# Allegro board SDHCalFEB20180110.brd (continued)
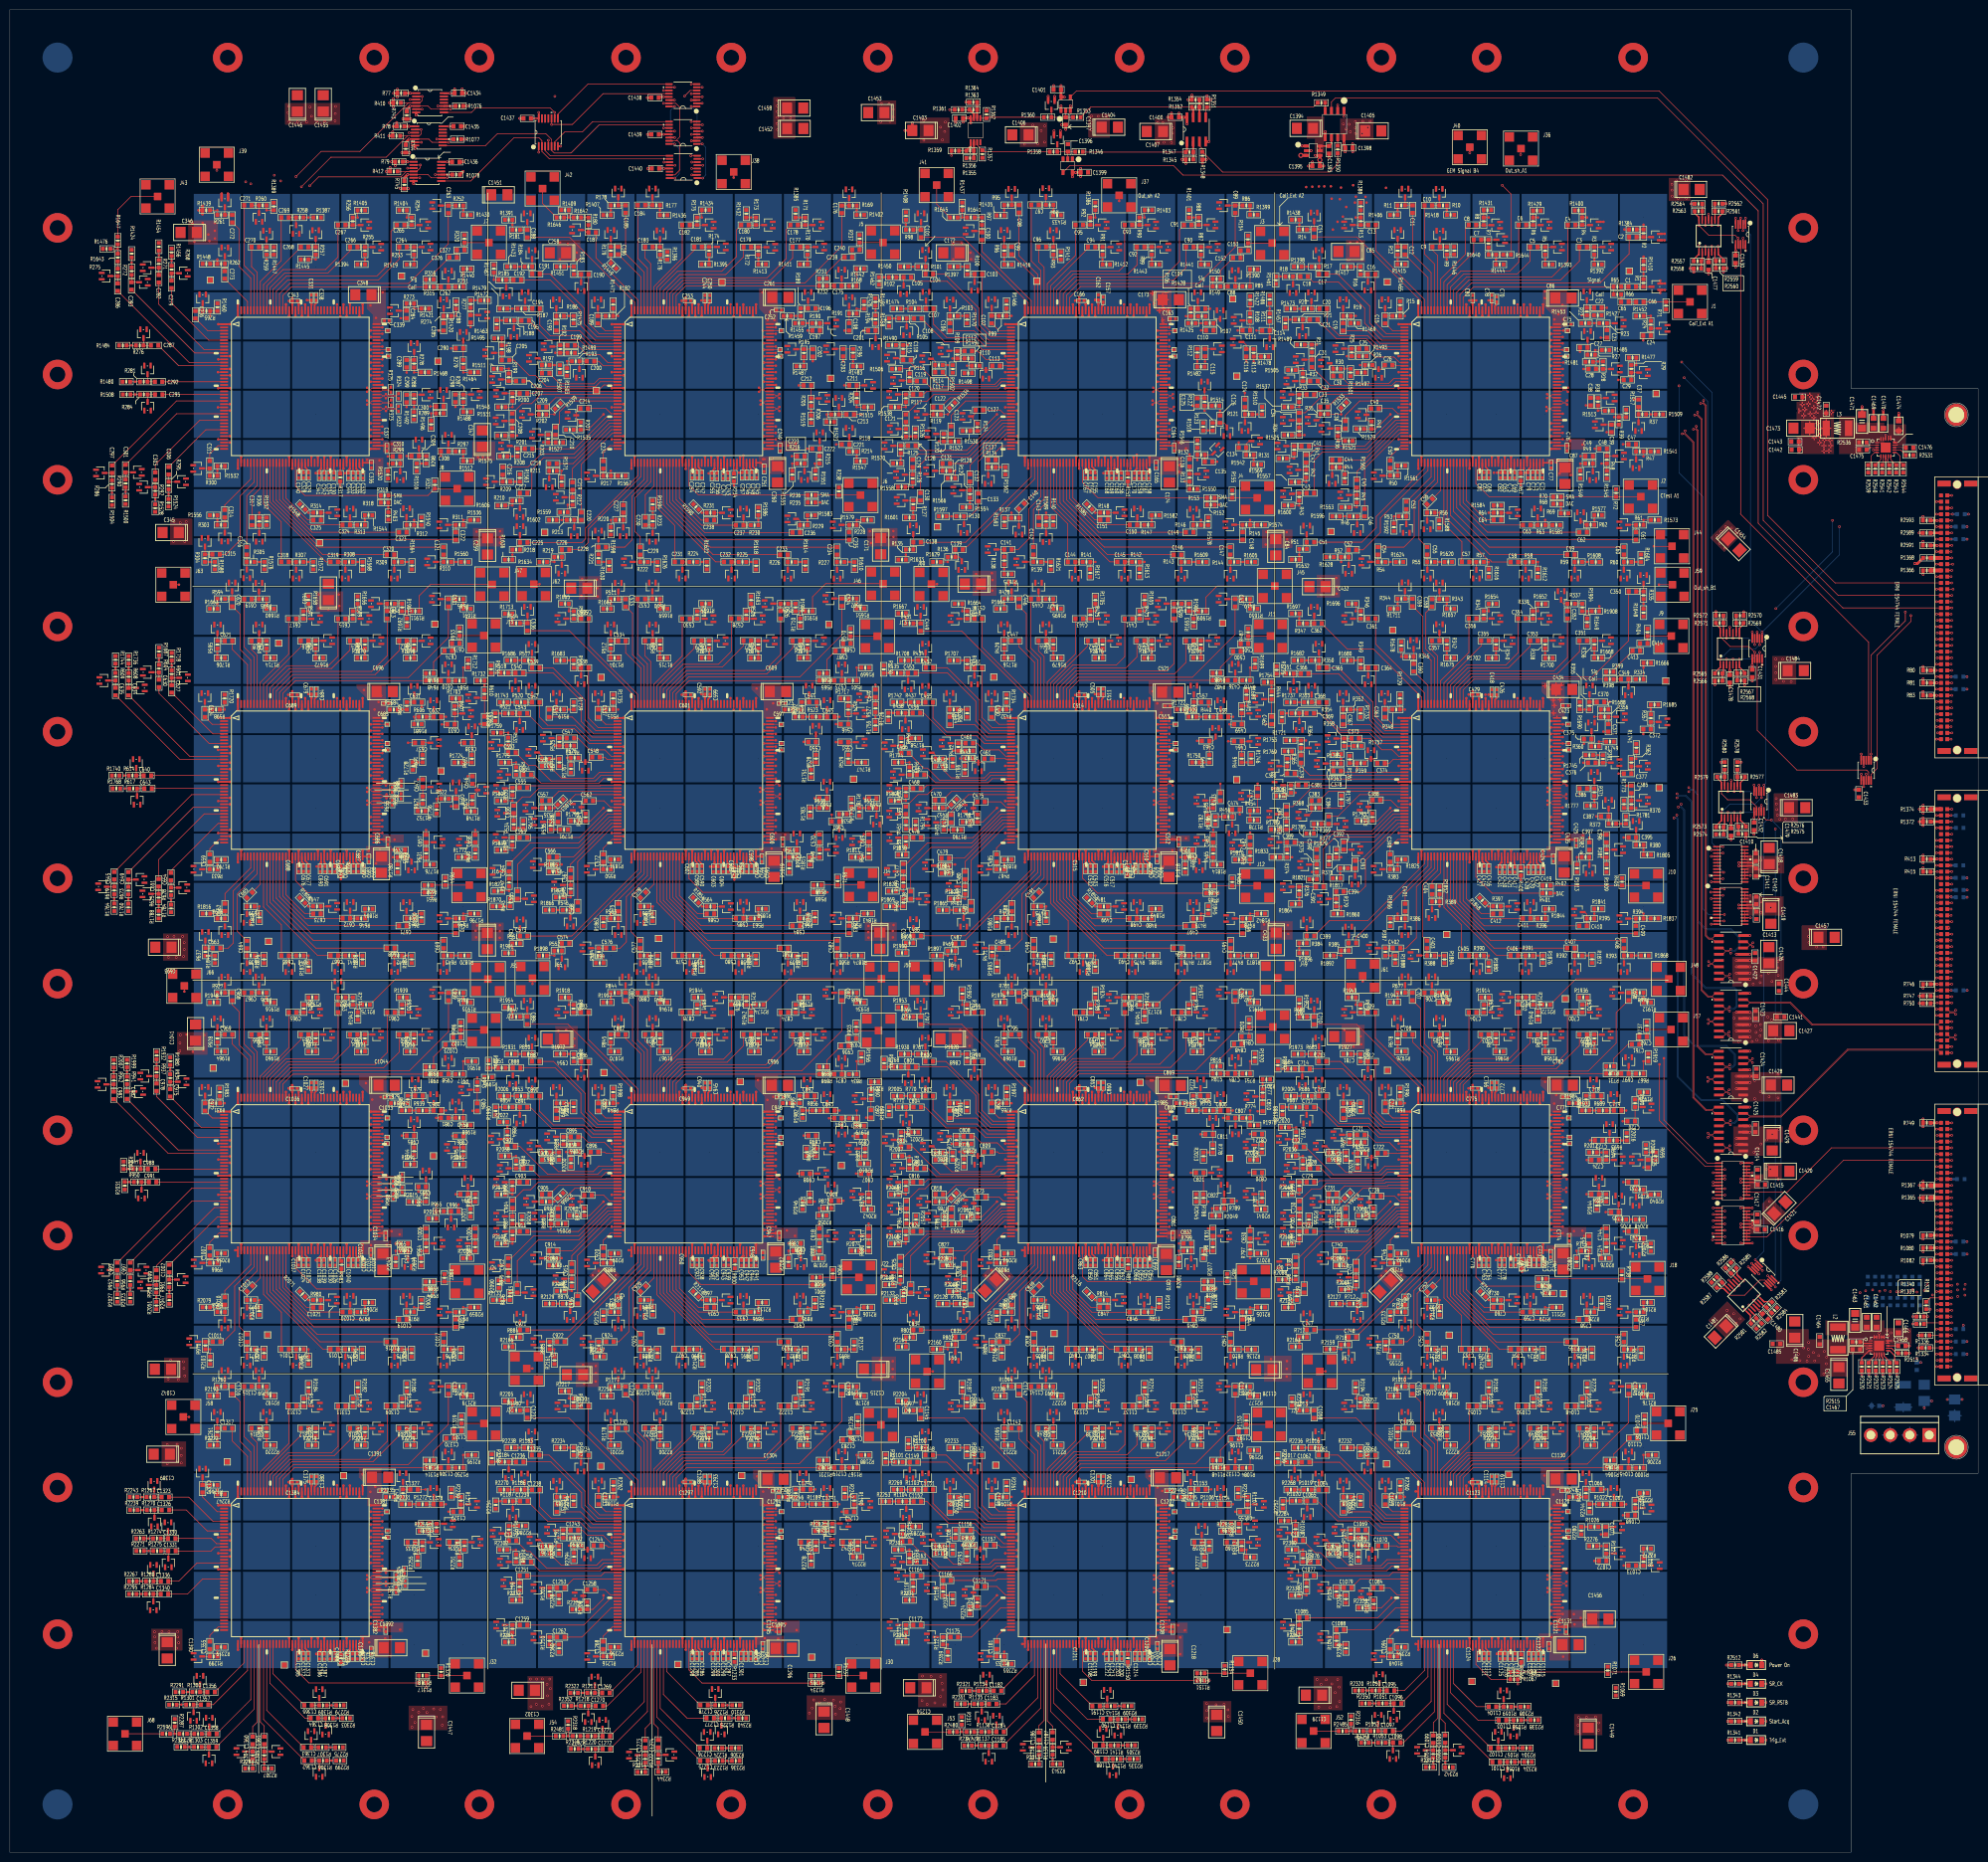
[diagram p0: board, top side]
## Placement (name value [footprint] x y rotation side) (continued)
C386  10nF  [SC0603]  319.96 216.16 180 top
C387  10nF  [SC0603]  324.33 210.49 180 top
C388  10nF  [SC0603]  277.88 213.81 0 top
C389  10nF  [SC0603]  260.48 205.23 0 top
C390  10nF  [SC0603]  265.74 202.97 90 top
C391  10nF  [SC0603]  266.37 196.19 0 top
C392  10nF  [SC0603]  271.25 204.5 90 top
C393  10nF  [SC0603]  273.56 200.71 90 top
C394  10nF  [SC0603]  270.48 195.22 0 top
C395  10nF  [SC0603]  329.92 206.2 180 top
C396  10nF  [SC0603]  324.67 205.99 90 top
C397  10nF  [SC0603]  321.19 204.47 90 top
C398  10nF  [SC0603]  280.67 202.01 90 top
C399  10nF  [SC0603]  264.49 186.2 0 top
C400  10nF  [SC0603]  273 184.76 0 top
C401  10nF  [SC0603]  283.72 191.97 90 top
C402  10nF  [SC0603]  281.99 183.71 0 top
C403  10nF  [SC0603]  288.17 184.48 90 top
C404  10nF  [SC0603]  289.21 195.45 90 top
C405  10nF  [SC0603]  295.96 182.22 180 top
C406  10nF  [SC0603]  305.94 182.22 180 top
C407  10nF  [SC0603]  317.45 183.72 180 top
C408  10nF  [SC0603]  328.22 184.48 90 top
C409  10nF  [SC0603]  330.65 187.48 270 top
C410  10nF  [SC0603]  319.91 188.24 180 top
C411  10nF  [SC0603]  308.43 189.74 180 top
C412  10nF  [SC0603]  302.39 190.71 180 top
C413  10pF 1%  [SC0603]  330.73 244.15 180 top
C414  10pF 1%  [SC0603]  332.25 245.65 180 top
C415  0.1uF  [SC0402]  299.79 199.82 90 top
C416  0.1uF  [SC0402]  300.78 199.82 90 top
C417  0.1uF  [SC0402]  306.04 199.67 90 top
C418  0.1uF  [SC0402]  302.37 235.74 270 top
C419  0.1uF  [SC0402]  311.78 199.64 90 top
C420  0.1uF  [SC0402]  309.8 199.64 90 top
C421  0.1uF  [SC0402]  305.05 199.67 90 top
C422  0.1uF  [SC0402]  310.79 199.64 90 top
C423  0.1uF  [SC0402]  316.38 232.99 0 top
C424  0.1uF  [SC0402]  313.85 201.88 270 top
C425  0.1uF  [SC0402]  318.52 205.08 270 top
C426  0.1uF  [SC0402]  301.36 235.74 90 top
C427  0.1uF  [SC0402]  298.8 199.83 270 top
C428  0.1uF  [SC0402]  308.82 199.64 270 top
C429  0.1uF  [SC0402]  297.97 235.26 0 top
C430  0.1uF  [SC0402]  303.97 199.67 270 top
C431  0.1uF  [SC0402]  302.98 199.67 270 top
C432  10uF  [STC3528]  265.9 257.18 180 top
C433  10uF  [STC3528]  257.51 185.23 270 top
C434  10uF  [STC3528]  316.06 236.3 0 top
C435  10uF  [STC3528]  316.07 200.73 270 top
C436  10nF  [SC0603]  248.41 238.15 180 top
C437  10nF  [SC0603]  249.14 253.9 270 top
C438  10nF  [SC0603]  239.93 246.18 180 top
C439  10nF  [SC0603]  236.75 251.46 270 top
C440  10nF  [SC0603]  229.95 246.21 180 top
C441  10nF  [SC0603]  227.48 250.65 180 top
C442  10nF  [SC0603]  219.94 246.18 180 top
C443  10nF  [SC0603]  217.45 250.65 180 top
C444  10nF  [SC0603]  209.93 246.21 180 top
C445  10nF  [SC0603]  208.41 254.66 180 top
C446  10nF  [SC0603]  205.2 253.92 270 top
C447  10nF  [SC0603]  204.47 246.2 0 top
C448  10nF  [SC0603]  196.93 250.67 0 top
C449  10nF  [SC0603]  185.21 248.95 270 top
C450  10nF  [SC0603]  199.64 231.44 270 top
C451  10nF  [SC0603]  196.93 240.66 0 top
C452  10nF  [SC0603]  186.99 240.71 0 top
C453  10nF  [SC0603]  183.41 239.62 0 top
C454  10nF  [SC0603]  191.16 229.95 270 top
C455  10nF  [SC0603]  186.94 233.68 0 top
C456  10nF  [SC0603]  184.35 231.52 0 top
C457  10nF  [SC0603]  243.03 233.73 0 top
C458  10nF  [SC0603]  246.99 230.73 0 top
C459  10nF  [SC0603]  249.73 229.21 180 top
C460  10nF  [SC0603]  195.1 225.37 0 top
C461  10nF  [SC0603]  198.96 222.22 0 top
C462  10nF  [SC0603]  256.59 230 270 top
C463  10nF  [SC0603]  243.15 225.84 180 top
C464  10nF  [SC0603]  249.73 225.76 180 top
C465  10nF  [SC0603]  188.98 220.7 0 top
C466  10nF  [SC0603]  182.04 223.34 0 top
C467  10nF  [SC0603]  185.19 218.94 0 top
C468  10nF  [SC0603]  184.45 216.18 0 top
C469  10nF  [SC0603]  182.2 211.73 90 top
C470  10nF  [SC0603]  188.93 213.79 0 top
C471  10nF  [SC0603]  191.42 210.03 90 top
C472  10nF  [SC0603]  253.72 215.39 90 top
C473  10nF  [SC0603]  246.16 214.48 90 top
C474  10nF  [SC0603]  249.33 211.91 0 top
C475  10nF  [SC0603]  197.49 213.46 0 top
C476  10nF  [SC0603]  184.48 206.17 0 top
C477  10nF  [SC0603]  181.69 200.08 90 top
C478  10nF  [SC0603]  183.19 194.49 90 top
C479  10nF  [SC0603]  190.22 202 0 top
C480  10nF  [SC0603]  194.24 198.5 90 top
C481  10nF  [SC0603]  195.46 192.23 90 top
C482  10nF  [SC0603]  252.2 205.49 90 top
C483  10nF  [SC0603]  244.71 205.97 90 top
C484  10nF  [SC0603]  239.75 203.69 180 top
C485  10nF  [SC0603]  200.64 202.01 90 top
C486  10nF  [SC0603]  184.48 186.23 0 top
C487  10nF  [SC0603]  193.01 184.65 0 top
C488  10nF  [SC0603]  203.74 191.97 90 top
C489  10nF  [SC0603]  202.01 183.71 0 top
C490  10nF  [SC0603]  208.21 184.48 90 top
C491  10nF  [SC0603]  208.73 194.52 45 top
C492  10nF  [SC0603]  215.98 182.22 180 top
C493  10nF  [SC0603]  225.96 182.22 180 top
C494  10nF  [SC0603]  237.46 183.72 180 top
C495  10nF  [SC0603]  248.24 184.48 90 top
C496  10nF  [SC0603]  250.67 187.48 270 top
C497  10nF  [SC0603]  239.9 188.24 180 top
C498  10nF  [SC0603]  228.42 189.74 180 top
C499  10nF  [SC0603]  222.48 190.68 180 top
C500  10pF 1%  [SC0603]  249.53 244.05 180 top
C501  10pF 1%  [SC0603]  251.05 245.57 180 top
C502  0.1uF  [SC0402]  219.77 199.81 90 top
C503  0.1uF  [SC0402]  220.76 199.81 90 top
C504  0.1uF  [SC0402]  226.1 199.75 90 top
C505  0.1uF  [SC0402]  222.34 235.86 270 top
C506  0.1uF  [SC0402]  231.91 199.81 90 top
C507  0.1uF  [SC0402]  229.93 199.81 90 top
C508  0.1uF  [SC0402]  225.08 199.75 90 top
C509  0.1uF  [SC0402]  230.92 199.81 90 top
C510  0.1uF  [SC0402]  233.29 201.9 270 top
C511  0.1uF  [SC0402]  221.35 235.85 90 top
C512  0.1uF  [SC0402]  237.68 205.3 270 top
C513  0.1uF  [SC0402]  235.44 232.96 0 top
C514  0.1uF  [SC0402]  217.97 235.17 0 top
C515  0.1uF  [SC0402]  218.76 199.81 270 top
C516  0.1uF  [SC0402]  223 199.76 270 top
C517  0.1uF  [SC0402]  224.02 199.76 270 top
C518  0.1uF  [SC0402]  228.94 199.81 270 top
C519  10uF  [STC3528]  195.85 257.71 180 top
C520  10uF  [STC3528]  176.91 185.24 270 top
C521  10uF  [STC3528]  235.95 235.74 0 top
C522  10uF  [STC3528]  235.69 199.84 270 top
C523  10nF  [SC0603]  168.43 238.1 180 top
C524  10nF  [SC0603]  169.19 254 270 top
C525  10nF  [SC0603]  159.94 246.18 180 top
C526  10nF  [SC0603]  156.74 251.46 270 top
C527  10nF  [SC0603]  149.94 246.21 180 top
C528  10nF  [SC0603]  147.47 250.68 180 top
C529  10nF  [SC0603]  139.9 246.18 180 top
C530  10nF  [SC0603]  137.49 250.65 180 top
C531  10nF  [SC0603]  129.95 246.18 180 top
C532  10nF  [SC0603]  128.42 254.66 180 top
C533  10nF  [SC0603]  125.22 253.87 270 top
C534  10nF  [SC0603]  124.46 246.15 0 top
C535  10nF  [SC0603]  116.94 250.67 0 top
C536  10nF  [SC0603]  105.25 249 270 top
C537  10nF  [SC0603]  119.68 231.44 270 top
C538  10nF  [SC0603]  116.92 240.69 0 top
C539  10nF  [SC0603]  106.96 240.69 0 top
C540  10nF  [SC0603]  103.58 239.64 0 top
C541  10nF  [SC0603]  109.67 231.44 270 top
C542  10nF  [SC0603]  106.96 233.68 0 top
C543  10nF  [SC0603]  104.44 231.42 0 top
C544  10nF  [SC0603]  163.3 233.73 0 top
C545  10nF  [SC0603]  166.95 230.73 0 top
C546  10nF  [SC0603]  169.72 229.24 180 top
C547  10nF  [SC0603]  114 226.41 0 top
C548  10nF  [SC0603]  119.18 222.53 0 top
C549  10nF  [SC0603]  176.03 235.51 90 top
C550  10nF  [SC0603]  163.14 225.63 180 top
C551  10nF  [SC0603]  169.72 225.58 180 top
C552  10nF  [SC0603]  108.99 220.7 0 top
C553  10nF  [SC0603]  102.11 223.47 0 top
C554  10nF  [SC0603]  105.21 218.97 0 top
C555  10nF  [SC0603]  104.44 216.35 0 top
C556  10nF  [SC0603]  102.47 211.91 90 top
C557  10nF  [SC0603]  108.97 213.69 0 top
C558  10nF  [SC0603]  111.48 210.13 90 top
C559  10nF  [SC0603]  175.46 214.15 180 top
C560  10nF  [SC0603]  165.38 214.15 180 top
C561  10nF  [SC0603]  167.89 209.45 180 top
C562  10nF  [SC0603]  117.83 213.66 0 top
C563  10nF  [SC0603]  104.44 206.19 0 top
C564  10nF  [SC0603]  101.53 200.08 90 top
C565  10nF  [SC0603]  103.23 194.51 90 top
C566  10nF  [SC0603]  110.46 202.23 0 top
C567  10nF  [SC0603]  114.02 198.81 90 top
C568  10nF  [SC0603]  115.47 192.23 90 top
C569  10nF  [SC0603]  174.65 206.1 90 top
C570  10nF  [SC0603]  164.65 206.04 90 top
C571  10nF  [SC0603]  159.26 203.69 180 top
C572  10nF  [SC0603]  120.68 202.01 90 top
C573  10nF  [SC0603]  104.5 186.18 0 top
C574  10nF  [SC0603]  113 184.68 0 top
C575  10nF  [SC0603]  123.7 191.97 90 top
C576  10nF  [SC0603]  122.02 183.71 0 top
C577  10nF  [SC0603]  128.17 184.48 90 top
C578  10nF  [SC0603]  128.78 194.52 45 top
C579  10nF  [SC0603]  135.97 182.22 180 top
C580  10nF  [SC0603]  145.97 182.22 180 top
C581  10nF  [SC0603]  157.45 183.7 180 top
C582  10nF  [SC0603]  168.23 184.48 90 top
C583  10nF  [SC0603]  170.66 187.5 270 top
C584  10nF  [SC0603]  159.92 188.27 180 top
C585  10nF  [SC0603]  148.41 189.77 180 top
C586  10nF  [SC0603]  142.47 190.71 180 top
C587  10pF 1%  [SC0603]  168.68 244.12 180 top
C588  10pF 1%  [SC0603]  170.21 245.62 180 top
C589  0.1uF  [SC0402]  139.74 199.82 90 top
C590  0.1uF  [SC0402]  140.73 199.82 90 top
C591  0.1uF  [SC0402]  146.09 199.77 90 top
C592  0.1uF  [SC0402]  142.35 235.84 270 top
C593  0.1uF  [SC0402]  151.81 199.8 90 top
C594  0.1uF  [SC0402]  149.83 199.8 90 top
C595  0.1uF  [SC0402]  145.1 199.77 90 top
C596  0.1uF  [SC0402]  150.82 199.8 90 top
C597  0.1uF  [SC0402]  157.07 233.46 0 top
C598  0.1uF  [SC0402]  152.92 201.83 270 top
C599  0.1uF  [SC0402]  141.34 235.84 90 top
C600  0.1uF  [SC0402]  157.16 205.31 270 top
C601  0.1uF  [SC0402]  137.95 235.21 0 top
C602  0.1uF  [SC0402]  138.74 199.82 270 top
C603  0.1uF  [SC0402]  143.09 199.77 270 top
C604  0.1uF  [SC0402]  144.08 199.77 270 top
C605  0.1uF  [SC0402]  148.84 199.79 270 top
C606  10uF  [STC3528]  115.79 256.87 180 top
C607  10uF  [STC3528]  97.1 185.15 270 top
C608  10uF  [STC3528]  155.4 199.84 270 top
C609  10uF  [STC3528]  156.19 235.86 0 top
C610  10nF  [SC0603]  88.42 238.08 180 top
C611  10nF  [SC0603]  89.18 253.9 270 top
C612  10nF  [SC0603]  79.93 246.16 180 top
C613  10nF  [SC0603]  76.73 251.46 270 top
C614  10nF  [SC0603]  69.93 246.18 180 top
C615  10nF  [SC0603]  67.49 250.65 180 top
C616  10nF  [SC0603]  59.92 246.18 180 top
C617  10nF  [SC0603]  57.45 250.65 180 top
C618  10nF  [SC0603]  49.94 246.16 180 top
C619  10nF  [SC0603]  48.41 254.64 180 top
C620  10nF  [SC0603]  45.21 253.92 270 top
C621  10nF  [SC0603]  44.48 246.15 0 top
C624  10nF  [SC0603]  39.67 231.44 270 top
C627  10nF  [SC0603]  32.91 236.4 270 top
C630  10nF  [SC0603]  30.32 237.52 270 top
C631  10nF  [SC0603]  82.98 233.7 0 top
C632  10nF  [SC0603]  86.94 230.73 0 top
C633  10nF  [SC0603]  89.69 229.19 180 top
C634  10nF  [SC0603]  24.15 235.84 270 top
C635  10nF  [SC0603]  21.48 235.86 270 top
C636  10nF  [SC0603]  96.52 230.02 270 top
C637  10nF  [SC0603]  83.16 225.45 180 top
C638  10nF  [SC0603]  93.17 225.45 180 top
C640  10nF  [SC0603]  27.97 218.79 0 top
C643  10nF  [SC0603]  28.12 216.15 0 top
C645  10nF  [SC0603]  21.24 198.45 90 top
C646  10nF  [SC0603]  94.09 217.88 90 top
C647  10nF  [SC0603]  83.98 217.25 90 top
C648  10nF  [SC0603]  90.72 213.31 270 top
C649  10nF  [SC0603]  24.11 198.42 90 top
C651  10nF  [SC0603]  30.26 197 90 top
C654  10nF  [SC0603]  32.77 198.27 90 top
C656  10nF  [SC0603]  94.64 205.99 90 top
C657  10nF  [SC0603]  84.64 205.99 90 top
C658  10nF  [SC0603]  79.6 203.71 180 top
C659  10nF  [SC0603]  40.67 202.01 90 top
C662  10nF  [SC0603]  43.74 192 90 top
C663  10nF  [SC0603]  42.04 183.71 0 top
C664  10nF  [SC0603]  48.21 184.45 90 top
C665  10nF  [SC0603]  48.74 194.51 45 top
C666  10nF  [SC0603]  55.98 182.2 180 top
C667  10nF  [SC0603]  65.99 182.22 180 top
C668  10nF  [SC0603]  77.47 183.72 180 top
C669  10nF  [SC0603]  88.22 184.48 90 top
C670  10nF  [SC0603]  90.67 187.5 270 top
C671  10nF  [SC0603]  79.91 188.27 180 top
C672  10nF  [SC0603]  68.43 189.77 180 top
C673  10nF  [SC0603]  62.46 190.71 180 top
C674  10pF 1%  [SC0603]  89.15 244.15 180 top
C675  10pF 1%  [SC0603]  90.68 245.65 180 top
C676  0.1uF  [SC0402]  59.73 199.82 90 top
C677  0.1uF  [SC0402]  60.75 199.82 90 top
C678  0.1uF  [SC0402]  66.08 199.8 90 top
C679  0.1uF  [SC0402]  62.34 235.86 270 top
C680  0.1uF  [SC0402]  71.87 199.82 90 top
C681  0.1uF  [SC0402]  69.89 199.82 90 top
C682  0.1uF  [SC0402]  65.09 199.8 90 top
C683  0.1uF  [SC0402]  70.88 199.82 90 top
C684  0.1uF  [SC0402]  61.33 235.86 90 top
C685  0.1uF  [SC0402]  76.58 233.46 0 top
C686  0.1uF  [SC0402]  76.88 205.31 270 top
C687  0.1uF  [SC0402]  73.01 201.83 270 top
C688  0.1uF  [SC0402]  58.73 199.82 270 top
C689  0.1uF  [SC0402]  57.94 235.21 0 top
C690  0.1uF  [SC0402]  63.1 199.8 270 top
C691  0.1uF  [SC0402]  64.09 199.8 270 top
C692  0.1uF  [SC0402]  68.89 199.82 270 top
C693  10uF  [STC3528]  31.23 183.9 180 top
C694  10uF  [STC3528]  64.78 256.11 90 top
C695  10uF  [STC3528]  75.56 200.68 270 top
C696  10uF  [STC3528]  76.23 235.86 0 top
C697  10nF  [SC0603]  328.42 158.22 180 top
C698  10nF  [SC0603]  329.18 173.89 270 top
C699  10nF  [SC0603]  319.94 166.15 180 top
C700  10nF  [SC0603]  317.5 170.67 180 top
C701  10nF  [SC0603]  309.93 166.15 180 top
C702  10nF  [SC0603]  306.75 171.48 270 top
C703  10nF  [SC0603]  299.92 166.17 180 top
C704  10nF  [SC0603]  297.46 170.67 180 top
C705  10nF  [SC0603]  289.94 166.17 180 top
C706  10nF  [SC0603]  288.42 174.65 180 top
C707  10nF  [SC0603]  285.21 173.89 270 top
C708  10nF  [SC0603]  284.48 166.16 0 top
C709  10nF  [SC0603]  276.91 170.66 0 top
C710  10nF  [SC0603]  265.22 168.99 270 top
C711  10nF  [SC0603]  279.7 151.43 270 top
C712  10nF  [SC0603]  276.91 160.68 0 top
C713  10nF  [SC0603]  266.93 160.7 0 top
C714  10nF  [SC0603]  263.58 159.18 0 top
C715  10nF  [SC0603]  271.19 149.94 270 top
C716  10nF  [SC0603]  266.95 153.67 0 top
C717  10nF  [SC0603]  264.46 151.41 0 top
C718  10nF  [SC0603]  322.78 153.72 0 top
C719  10nF  [SC0603]  326.95 150.72 0 top
C720  10nF  [SC0603]  329.69 148.54 180 top
C721  10nF  [SC0603]  274.73 145.77 0 top
C722  10nF  [SC0603]  278.92 142.06 0 top
C723  10nF  [SC0603]  323.06 144.66 180 top
C724  10nF  [SC0603]  322.38 140.67 180 top
C725  10nF  [SC0603]  333.14 139.93 270 top
C726  10nF  [SC0603]  269.01 140.69 0 top
C727  10nF  [SC0603]  262.33 143.33 0 top
C728  10nF  [SC0603]  265.2 138.98 0 top
C729  10nF  [SC0603]  264.46 136.17 0 top
C730  10nF  [SC0603]  262.23 131.55 90 top
C731  10nF  [SC0603]  268.99 133.73 0 top
C732  10nF  [SC0603]  271.63 130 90 top
C733  10nF  [SC0603]  329.9 136.17 180 top
C734  10nF  [SC0603]  322.38 133.71 180 top
C735  10nF  [SC0603]  326.39 130.08 180 top
C736  10nF  [SC0603]  278 133.32 0 top
C737  10nF  [SC0603]  264.46 126.16 0 top
C738  10nF  [SC0603]  261.47 120.14 90 top
C739  10nF  [SC0603]  263.2 114.48 90 top
C740  10nF  [SC0603]  270.46 122.22 0 top
C741  10nF  [SC0603]  273.74 119.08 90 top
C742  10nF  [SC0603]  275.49 112.22 90 top
C743  10nF  [SC0603]  329.92 126.17 180 top
C744  10nF  [SC0603]  324.64 126.01 90 top
C745  10nF  [SC0603]  321.11 124.46 90 top
C746  10nF  [SC0603]  280.7 122.02 90 top
C747  10nF  [SC0603]  264.49 106.17 0 top
C748  10nF  [SC0603]  273 104.67 0 top
C749  10nF  [SC0603]  283.72 112.01 90 top
C750  10nF  [SC0603]  282.04 103.73 0 top
C751  10nF  [SC0603]  288.19 104.47 90 top
C752  10nF  [SC0603]  288.78 114.4 45 top
C753  10nF  [SC0603]  295.99 102.21 180 top
C754  10nF  [SC0603]  305.99 102.21 180 top
C755  10nF  [SC0603]  317.47 103.69 180 top
C756  10nF  [SC0603]  328.22 104.47 90 top
C757  10nF  [SC0603]  330.68 107.47 270 top
C758  10nF  [SC0603]  319.91 108.26 180 top
C759  10nF  [SC0603]  308.41 109.76 180 top
C760  10nF  [SC0603]  302.44 110.72 180 top
C761  10pF 1%  [SC0603]  330.58 164.19 180 top
C762  10pF 1%  [SC0603]  332.11 165.69 180 top
C763  0.1uF  [SC0402]  299.74 119.79 90 top
C764  0.1uF  [SC0402]  300.73 119.79 90 top
C765  0.1uF  [SC0402]  306.21 119.81 90 top
C766  0.1uF  [SC0402]  302.37 155.85 270 top
C767  0.1uF  [SC0402]  311.93 119.81 90 top
C768  0.1uF  [SC0402]  309.95 119.81 90 top
C769  0.1uF  [SC0402]  305.22 119.81 90 top
C770  0.1uF  [SC0402]  310.94 119.81 90 top
C771  0.1uF  [SC0402]  316.33 153.48 0 top
C772  0.1uF  [SC0402]  301.36 155.85 90 top
C773  0.1uF  [SC0402]  313.32 121.46 270 top
C774  0.1uF  [SC0402]  317.1 124.71 270 top
C775  0.1uF  [SC0402]  297.97 155.23 0 top
C776  0.1uF  [SC0402]  298.76 119.79 270 top
C777  0.1uF  [SC0402]  302.93 119.81 270 top
C778  0.1uF  [SC0402]  303.92 119.81 270 top
C779  0.1uF  [SC0402]  308.95 119.81 270 top
C780  10uF  [STC3528]  279.69 115.07 225 top
C781  10uF  [STC3528]  270.96 165.74 180 top
C782  10uF  [STC3528]  316.19 155.85 0 top
C783  10uF  [STC3528]  315.85 120.06 270 top
C784  10nF  [SC0603]  248.41 158.22 180 top
C785  10nF  [SC0603]  249.17 173.89 270 top
C786  10nF  [SC0603]  239.93 166.15 180 top
C787  10nF  [SC0603]  237.49 170.69 180 top
C788  10nF  [SC0603]  229.95 166.17 180 top
C789  10nF  [SC0603]  226.74 171.45 270 top
C790  10nF  [SC0603]  219.94 166.15 180 top
C791  10nF  [SC0603]  217.53 170.69 180 top
C792  10nF  [SC0603]  209.93 166.17 180 top
C793  10nF  [SC0603]  208.43 174.65 180 top
C794  10nF  [SC0603]  205.2 173.89 270 top
C795  10nF  [SC0603]  204.47 166.16 0 top
C796  10nF  [SC0603]  196.9 170.68 0 top
C797  10nF  [SC0603]  185.21 168.99 270 top
C798  10nF  [SC0603]  199.67 151.43 270 top
C799  10nF  [SC0603]  196.9 160.68 0 top
C800  10nF  [SC0603]  186.94 160.7 0 top
C801  10nF  [SC0603]  183.46 159.58 0 top
C802  10nF  [SC0603]  191.18 149.94 270 top
C803  10nF  [SC0603]  186.94 153.67 0 top
C804  10nF  [SC0603]  184.51 151.41 0 top
C805  10nF  [SC0603]  242.87 153.72 0 top
C806  10nF  [SC0603]  246.94 150.72 0 top
C807  10nF  [SC0603]  248.44 149.2 180 top
C808  10nF  [SC0603]  194.74 145.46 0 top
C809  10nF  [SC0603]  198.88 142.31 0 top
C810  10nF  [SC0603]  254.76 151.33 270 top
C811  10nF  [SC0603]  243.87 145.9 180 top
C812  10nF  [SC0603]  253.87 145.93 180 top
C813  10nF  [SC0603]  189 140.69 0 top
C814  10nF  [SC0603]  182.02 143.3 0 top
C815  10nF  [SC0603]  185.19 138.96 0 top
C816  10nF  [SC0603]  184.45 136.17 0 top
C817  10nF  [SC0603]  182.33 131.55 90 top
C818  10nF  [SC0603]  189 133.7 0 top
C819  10nF  [SC0603]  191.47 129.95 90 top
C820  10nF  [SC0603]  253.87 138.1 180 top
C821  10nF  [SC0603]  241.96 138.08 180 top
C822  10nF  [SC0603]  247.73 132.33 0 top
C823  10nF  [SC0603]  197.59 133.14 0 top
C824  10nF  [SC0603]  184.45 126.16 0 top
C825  10nF  [SC0603]  181.08 120.07 90 top
C826  10nF  [SC0603]  183.19 114.48 90 top
C827  10nF  [SC0603]  190.47 122.22 0 top
C828  10nF  [SC0603]  194.09 118.64 90 top
C829  10nF  [SC0603]  195.46 112.22 90 top
C830  10nF  [SC0603]  252.2 125.48 90 top
C831  10nF  [SC0603]  244.63 125.98 90 top
C832  10nF  [SC0603]  239.45 123.7 180 top
C833  10nF  [SC0603]  200.69 122.02 90 top
C834  10nF  [SC0603]  184.48 106.12 0 top
C835  10nF  [SC0603]  193.01 104.67 0 top
C836  10nF  [SC0603]  203.71 112.01 90 top
C837  10nF  [SC0603]  202.03 103.73 0 top
C838  10nF  [SC0603]  208.23 104.47 90 top
C839  10nF  [SC0603]  208.75 114.45 45 top
C840  10nF  [SC0603]  215.95 102.21 180 top
C841  10nF  [SC0603]  225.96 102.21 180 top
C842  10nF  [SC0603]  237.41 103.71 180 top
C843  10nF  [SC0603]  248.21 104.47 90 top
C844  10nF  [SC0603]  250.67 107.49 270 top
C845  10nF  [SC0603]  239.9 108.26 180 top
C846  10nF  [SC0603]  228.42 109.73 180 top
C847  10nF  [SC0603]  222.45 110.72 180 top
C848  10pF 1%  [SC0603]  249.71 164.24 180 top
C849  10pF 1%  [SC0603]  251.23 165.74 180 top
C850  0.1uF  [SC0402]  219.75 119.79 90 top
C851  0.1uF  [SC0402]  220.74 119.79 90 top
C852  0.1uF  [SC0402]  226.15 119.81 90 top
C853  0.1uF  [SC0402]  222.36 155.85 270 top
C854  0.1uF  [SC0402]  231.82 119.71 90 top
C855  0.1uF  [SC0402]  229.84 119.71 90 top
C856  0.1uF  [SC0402]  225.16 119.81 90 top
C857  0.1uF  [SC0402]  230.83 119.71 90 top
C858  0.1uF  [SC0402]  236.63 153.53 0 top
C859  0.1uF  [SC0402]  232.9 121.82 270 top
C860  0.1uF  [SC0402]  221.35 155.85 90 top
C861  0.1uF  [SC0402]  236.48 125.3 270 top
C862  0.1uF  [SC0402]  217.96 155.2 0 top
C863  0.1uF  [SC0402]  218.78 119.79 270 top
C864  0.1uF  [SC0402]  222.97 119.79 270 top
C865  0.1uF  [SC0402]  223.96 119.79 270 top
C866  0.1uF  [SC0402]  228.86 119.71 270 top
C867  10uF  [STC3528]  199.44 115.22 225 top
C868  10uF  [STC3528]  190.9 165.28 180 top
C869  10uF  [STC3528]  236.48 155.8 0 top
C870  10uF  [STC3528]  235.18 119.93 270 top
C871  10nF  [SC0603]  168.43 158.09 180 top
C872  10nF  [SC0603]  169.16 173.89 270 top
C873  10nF  [SC0603]  159.94 166.15 180 top
C874  10nF  [SC0603]  157.51 170.67 180 top
C875  10nF  [SC0603]  149.94 166.17 180 top
C876  10nF  [SC0603]  146.73 171.45 270 top
C877  10nF  [SC0603]  139.93 166.15 180 top
C878  10nF  [SC0603]  137.49 170.69 180 top
C879  10nF  [SC0603]  129.95 166.17 180 top
C880  10nF  [SC0603]  128.42 174.65 180 top
C881  10nF  [SC0603]  125.21 173.9 270 top
C882  10nF  [SC0603]  124.46 166.16 0 top
C883  10nF  [SC0603]  116.89 170.68 0 top
C884  10nF  [SC0603]  105.2 169.01 270 top
C885  10nF  [SC0603]  119.68 151.43 270 top
C886  10nF  [SC0603]  116.92 160.68 0 top
C887  10nF  [SC0603]  106.93 160.7 0 top
C888  10nF  [SC0603]  103.05 159.38 0 top
C889  10nF  [SC0603]  111.17 149.94 270 top
C890  10nF  [SC0603]  106.96 153.67 0 top
C891  10nF  [SC0603]  104.47 151.38 0 top
C892  10nF  [SC0603]  162.89 153.72 0 top
C893  10nF  [SC0603]  166.95 150.72 0 top
C894  10nF  [SC0603]  168.4 149.15 180 top
C895  10nF  [SC0603]  114.83 145.36 0 top
C896  10nF  [SC0603]  118.9 142.29 0 top
C897  10nF  [SC0603]  175.1 150.04 270 top
C898  10nF  [SC0603]  163.14 145.62 180 top
C899  10nF  [SC0603]  173.13 145.52 180 top
C900  10nF  [SC0603]  109.02 140.71 0 top
C901  10nF  [SC0603]  101.93 143.43 0 top
C902  10nF  [SC0603]  105.21 138.98 0 top
C903  10nF  [SC0603]  104.44 136.17 0 top
C904  10nF  [SC0603]  102.21 131.67 90 top
C905  10nF  [SC0603]  108.99 133.7 0 top
C906  10nF  [SC0603]  111.48 130 90 top
C907  10nF  [SC0603]  173.89 137.9 180 top
C908  10nF  [SC0603]  161.93 137.9 180 top
C909  10nF  [SC0603]  167.79 132.38 0 top
C910  10nF  [SC0603]  117.58 133.5 0 top
C911  10nF  [SC0603]  104.47 126.13 0 top
C912  10nF  [SC0603]  101.35 119.96 90 top
C913  10nF  [SC0603]  103.18 114.48 90 top
C914  10nF  [SC0603]  110.46 122.22 0 top
C915  10nF  [SC0603]  114.28 118.8 90 top
C916  10nF  [SC0603]  115.45 112.24 90 top
C917  10nF  [SC0603]  174.63 125.98 90 top
C918  10nF  [SC0603]  164.62 125.98 90 top
C919  10nF  [SC0603]  160.07 123.73 180 top
C920  10nF  [SC0603]  120.68 122.02 90 top
C921  10nF  [SC0603]  104.5 106.12 0 top
C922  10nF  [SC0603]  112.04 103.73 0 top
C923  10nF  [SC0603]  123.73 112.01 90 top
C924  10nF  [SC0603]  122.02 103.73 0 top
C925  10nF  [SC0603]  128.25 104.47 90 top
C926  10nF  [SC0603]  128.79 114.5 45 top
C927  10nF  [SC0603]  135.99 102.21 180 top
C928  10nF  [SC0603]  145.97 102.21 180 top
C929  10nF  [SC0603]  157.48 103.71 180 top
C930  10nF  [SC0603]  168.25 104.47 90 top
C931  10nF  [SC0603]  170.66 107.52 270 top
C932  10nF  [SC0603]  159.92 108.28 180 top
C933  10nF  [SC0603]  148.41 109.76 180 top
C934  10nF  [SC0603]  142.47 110.7 180 top
C935  10pF 1%  [SC0603]  171.32 165.36 180 top
C936  10pF 1%  [SC0603]  169.8 163.86 180 top
C937  0.1uF  [SC0402]  139.72 119.81 90 top
C938  0.1uF  [SC0402]  140.71 119.81 90 top
C939  0.1uF  [SC0402]  146.14 119.81 90 top
C940  0.1uF  [SC0402]  142.38 155.83 270 top
C941  0.1uF  [SC0402]  151.76 119.76 90 top
C942  0.1uF  [SC0402]  149.75 119.76 90 top
C943  0.1uF  [SC0402]  145.15 119.81 90 top
C944  0.1uF  [SC0402]  150.74 119.76 90 top
C945  0.1uF  [SC0402]  141.37 155.83 90 top
C946  0.1uF  [SC0402]  156.69 153.45 0 top
C947  0.1uF  [SC0402]  156.5 125.3 270 top
C948  0.1uF  [SC0402]  153.15 121.31 270 top
C949  0.1uF  [SC0402]  137.95 155.25 0 top
C950  0.1uF  [SC0402]  138.74 119.81 270 top
C951  0.1uF  [SC0402]  142.78 119.76 270 top
C952  0.1uF  [SC0402]  143.77 119.76 270 top
C953  0.1uF  [SC0402]  148.78 119.76 270 top
C954  10uF  [STC3528]  111.04 165.23 180 top
C955  10uF  [STC3528]  119.69 115.1 225 top
C956  10uF  [STC3528]  156.57 155.83 0 top
C957  10uF  [STC3528]  155.75 120.41 270 top
C958  10nF  [SC0603]  88.42 158.12 180 top
C959  10nF  [SC0603]  89.2 173.86 270 top
C960  10nF  [SC0603]  79.93 166.15 180 top
C961  10nF  [SC0603]  77.5 170.67 180 top
C962  10nF  [SC0603]  69.93 166.15 180 top
C963  10nF  [SC0603]  66.75 171.45 270 top
C964  10nF  [SC0603]  59.94 166.17 180 top
C965  10nF  [SC0603]  57.51 170.67 180 top
C966  10nF  [SC0603]  49.94 166.15 180 top
C967  10nF  [SC0603]  48.41 174.65 180 top
C968  10nF  [SC0603]  45.23 173.86 270 top
C969  10nF  [SC0603]  44.48 166.16 0 top
C972  10nF  [SC0603]  39.7 151.43 270 top
C975  10nF  [SC0603]  32.61 154.31 270 top
C978  10nF  [SC0603]  29.84 155.45 270 top
C979  10nF  [SC0603]  83.19 153.74 0 top
C980  10nF  [SC0603]  86.94 150.72 0 top
C981  10nF  [SC0603]  88.42 149.23 180 top
C982  10nF  [SC0603]  23.82 153.82 270 top
C983  10nF  [SC0603]  21.13 153.8 270 top
C984  10nF  [SC0603]  95.04 151.43 270 top
C985  10nF  [SC0603]  81.43 145.62 180 top
C986  10nF  [SC0603]  91.44 145.55 180 top
C988  10nF  [SC0603]  28.83 138.83 0 top
C991  10nF  [SC0603]  29.03 136.19 0 top
C993  10nF  [SC0603]  21.85 119.05 90 top
C994  10nF  [SC0603]  92.38 133.71 180 top
C995  10nF  [SC0603]  83.85 135.23 180 top
C996  10nF  [SC0603]  90.47 130.25 0 top
C997  10nF  [SC0603]  24.49 119.05 90 top
C999  10nF  [SC0603]  29.8 117.53 90 top
C1002  10nF  [SC0603]  32.44 118.62 90 top
C1004  10nF  [SC0603]  94.62 125.98 90 top
C1005  10nF  [SC0603]  84.64 125.98 90 top
C1006  10nF  [SC0603]  80.19 123.68 180 top
C1007  10nF  [SC0603]  40.64 122.02 90 top
C1010  10nF  [SC0603]  43.72 112.01 90 top
C1011  10nF  [SC0603]  42.04 103.73 0 top
C1012  10nF  [SC0603]  48.24 104.47 90 top
C1013  10nF  [SC0603]  48.77 114.53 45 top
C1014  10nF  [SC0603]  55.98 102.21 180 top
C1015  10nF  [SC0603]  65.96 102.21 180 top
C1016  10nF  [SC0603]  77.47 103.71 180 top
C1017  10nF  [SC0603]  88.24 104.47 90 top
C1018  10nF  [SC0603]  90.69 107.51 270 top
C1019  10nF  [SC0603]  79.93 108.27 180 top
C1020  10nF  [SC0603]  68.42 109.77 180 top
C1021  10nF  [SC0603]  62.48 110.68 180 top
C1022  10pF 1%  [SC0603]  90.91 165.61 180 top
C1023  10pF 1%  [SC0603]  89.38 164.11 180 top
C1024  0.1uF  [SC0402]  59.73 119.81 90 top
C1025  0.1uF  [SC0402]  60.72 119.81 90 top
C1026  0.1uF  [SC0402]  66.13 119.79 90 top
C1027  0.1uF  [SC0402]  62.31 155.85 270 top
C1028  0.1uF  [SC0402]  71.85 119.79 90 top
C1029  0.1uF  [SC0402]  69.84 119.79 90 top
C1030  0.1uF  [SC0402]  65.09 119.79 90 top
C1031  0.1uF  [SC0402]  70.83 119.79 90 top
C1032  0.1uF  [SC0402]  61.33 155.85 90 top
C1033  0.1uF  [SC0402]  76.91 153.45 0 top
C1034  0.1uF  [SC0402]  76.44 125.3 270 top
C1035  0.1uF  [SC0402]  73.41 121.82 270 top
C1036  0.1uF  [SC0402]  57.94 155.23 0 top
C1037  0.1uF  [SC0402]  58.73 119.81 270 top
C1038  0.1uF  [SC0402]  62.9 119.79 270 top
C1039  0.1uF  [SC0402]  63.89 119.79 270 top
C1040  0.1uF  [SC0402]  68.84 119.79 270 top
C1041  10uF  [STC3528]  37.77 166.56 90 top
C1042  10uF  [STC3528]  31.13 98.15 180 top
C1043  10uF  [STC3528]  75.87 120.01 270 top
C1044  10uF  [STC3528]  76.62 155.85 0 top
C1045  10nF  [SC0603]  328.42 78.11 180 top
C1046  10nF  [SC0603]  329.18 93.88 270 top
C1047  10nF  [SC0603]  319.94 86.16 180 top
C1048  10nF  [SC0603]  317.5 90.66 180 top
C1049  10nF  [SC0603]  309.93 86.16 180 top
C1050  10nF  [SC0603]  307.52 90.66 180 top
C1051  10nF  [SC0603]  299.95 86.16 180 top
C1052  10nF  [SC0603]  297.51 90.66 180 top
C1053  10nF  [SC0603]  289.94 86.19 180 top
C1054  10nF  [SC0603]  288.42 94.62 180 top
C1055  10nF  [SC0603]  285.21 93.88 270 top
C1056  10nF  [SC0603]  284.45 86.15 0 top
C1057  10nF  [SC0603]  276.89 90.67 0 top
C1058  10nF  [SC0603]  265.22 89 270 top
C1059  10nF  [SC0603]  279.7 71.42 270 top
C1060  10nF  [SC0603]  276.89 80.67 0 top
C1061  10nF  [SC0603]  266.93 80.69 0 top
C1062  10nF  [SC0603]  263.5 79.24 0 top
C1063  10nF  [SC0603]  271.19 69.93 270 top
C1064  10nF  [SC0603]  266.94 73.65 0 top
C1065  10nF  [SC0603]  264.55 71.39 0 top
C1066  10nF  [SC0603]  322.77 73.72 0 top
C1067  10nF  [SC0603]  326.96 70.7 0 top
C1068  10nF  [SC0603]  329.73 68.47 180 top
C1069  10nF  [SC0603]  274.94 65.47 0 top
C1070  10nF  [SC0603]  279.03 62.24 0 top
C1071  10nF  [SC0603]  324.52 65.35 270 top
C1072  10nF  [SC0603]  323.89 59.19 180 top
C1073  10nF  [SC0603]  329.91 58.25 180 top
C1074  10nF  [SC0603]  269.02 60.69 0 top
C1075  10nF  [SC0603]  262.21 63.36 0 top
C1076  10nF  [SC0603]  265.21 58.97 0 top
C1077  10nF  [SC0603]  264.42 56.2 0 top
C1079  10nF  [SC0603]  272.03 53.72 0 top
C1084  10nF  [SC0603]  278.08 53.72 0 top
C1085  10nF  [SC0603]  262.97 47.65 0 top
C1088  10nF  [SC0603]  270.54 45.21 0 top
C1094  10nF  [SC0603]  280.67 42.04 90 top
C1095  10nF  [SC0603]  280.77 32.84 0 top
C1096  10nF  [SC0603]  282.17 30.22 0 top
C1097  10nF  [SC0603]  280.49 24.61 0 top
C1098  10nF  [SC0603]  282.02 22.25 0 top
C1099  10nF  [SC0603]  289.46 22.96 90 top
C1100  10nF  [SC0603]  291.88 22.99 90 top
C1101  10nF  [SC0603]  302.23 18.32 180 top
C1102  10nF  [SC0603]  301.9 21.16 180 top
C1103  10nF  [SC0603]  303.53 26.83 180 top
C1104  10nF  [SC0603]  301.5 29.57 180 top
C1109  10pF 1%  [SC0603]  331.65 85.65 180 top
C1110  10pF 1%  [SC0603]  330.12 84.15 180 top
C1111  0.1uF  [SC0402]  299.76 39.8 90 top
C1112  0.1uF  [SC0402]  300.75 39.8 90 top
C1113  0.1uF  [SC0402]  306.09 39.78 90 top
C1114  0.1uF  [SC0402]  302.37 75.82 270 top
C1115  0.1uF  [SC0402]  311.83 39.75 90 top
C1116  0.1uF  [SC0402]  309.85 39.75 90 top
C1117  0.1uF  [SC0402]  305.1 39.78 90 top
C1118  0.1uF  [SC0402]  310.84 39.75 90 top
C1119  0.1uF  [SC0402]  301.36 75.82 90 top
C1120  0.1uF  [SC0402]  316.2 73.47 0 top
C1121  0.1uF  [SC0402]  316.47 45.29 270 top
C1122  0.1uF  [SC0402]  312.99 41.81 270 top
C1123  0.1uF  [SC0402]  297.97 75.19 0 top
C1124  0.1uF  [SC0402]  298.76 39.8 270 top
C1125  0.1uF  [SC0402]  303.03 39.8 270 top
C1126  0.1uF  [SC0402]  304.02 39.8 270 top
C1127  0.1uF  [SC0402]  308.87 39.75 270 top
C1128  10uF  [STC3528]  255.08 98.02 180 top
C1129  10uF  [STC3528]  265.19 31.9 180 top
C1130  10uF  [STC3528]  315.96 75.84 0 top
C1131  10uF  [STC3528]  317.36 42.16 0 top
C1132  10nF  [SC0603]  248.41 78.11 180 top
C1133  10nF  [SC0603]  249.17 93.88 270 top
C1134  10nF  [SC0603]  239.93 86.19 180 top
C1135  10nF  [SC0603]  237.49 90.68 180 top
C1136  10nF  [SC0603]  229.95 86.16 180 top
C1137  10nF  [SC0603]  227.51 90.68 180 top
C1138  10nF  [SC0603]  219.94 86.16 180 top
C1139  10nF  [SC0603]  217.5 90.68 180 top
C1140  10nF  [SC0603]  209.93 86.16 180 top
C1141  10nF  [SC0603]  208.43 94.64 180 top
C1142  10nF  [SC0603]  205.2 93.88 270 top
C1143  10nF  [SC0603]  204.47 86.15 0 top
C1144  10nF  [SC0603]  196.9 90.67 0 top
C1145  10nF  [SC0603]  185.21 89 270 top
C1146  10nF  [SC0603]  199.69 71.42 270 top
C1147  10nF  [SC0603]  196.9 80.67 0 top
C1148  10nF  [SC0603]  186.94 80.69 0 top
C1149  10nF  [SC0603]  183.77 79.27 0 top
C1150  10nF  [SC0603]  191.2 69.92 270 top
C1151  10nF  [SC0603]  186.95 73.7 0 top
C1152  10nF  [SC0603]  184.54 71.26 0 top
C1153  10nF  [SC0603]  242.4 73.72 0 top
C1154  10nF  [SC0603]  246.97 70.7 0 top
C1155  10nF  [SC0603]  250.92 69.18 180 top
C1156  10nF  [SC0603]  194.57 65.42 0 top
C1157  10nF  [SC0603]  199.37 62.4 0 top
C1158  10nF  [SC0603]  247.62 66.74 180 top
C1159  10nF  [SC0603]  241.62 63 180 top
C1160  10nF  [SC0603]  248.25 62.98 180 top
C1161  10nF  [SC0603]  188.98 60.69 0 top
C1162  10nF  [SC0603]  182.25 63.16 0 top
C1163  10nF  [SC0603]  185.19 58.97 0 top
C1164  10nF  [SC0603]  184.45 56.18 0 top
C1166  10nF  [SC0603]  190.55 55.22 0 top
C1171  10nF  [SC0603]  197.49 54 0 top
C1172  10nF  [SC0603]  184.48 46.15 0 top
C1175  10nF  [SC0603]  192.05 43.71 0 top
C1181  10nF  [SC0603]  200.69 42.04 90 top
C1182  10nF  [SC0603]  200.84 32.79 0 top
C1183  10nF  [SC0603]  199.87 30.12 0 top
C1184  10nF  [SC0603]  201.37 24.46 0 top
C1185  10nF  [SC0603]  201.32 21.69 0 top
C1186  10nF  [SC0603]  209.27 23.57 90 top
C1187  10nF  [SC0603]  212.04 23.6 90 top
C1188  10nF  [SC0603]  222.05 18.93 180 top
C1189  10nF  [SC0603]  221.56 21.72 180 top
C1190  10nF  [SC0603]  223.04 27.03 180 top
C1191  10nF  [SC0603]  220.88 29.67 180 top
C1196  10pF 1%  [SC0603]  249.15 83.95 180 top
C1197  10pF 1%  [SC0603]  250.67 85.45 180 top
C1198  0.1uF  [SC0402]  219.73 39.8 90 top
C1199  0.1uF  [SC0402]  220.72 39.8 90 top
C1200  0.1uF  [SC0402]  226.1 39.8 90 top
C1201  0.1uF  [SC0402]  222.36 75.84 270 top
C1202  0.1uF  [SC0402]  230.75 39.78 90 top
C1203  0.1uF  [SC0402]  225.11 39.8 90 top
C1204  0.1uF  [SC0402]  231.74 39.78 90 top
C1205  0.1uF  [SC0402]  229.73 39.78 90 top
C1206  0.1uF  [SC0402]  221.35 75.84 90 top
